# Altium PCB RV901-cnc-flipped.PcbDoc (part 2 of 4)
Units mil, origin at the board's own origin, x right, y up, seen from the top; angles counter-clockwise.
Board outline 5760 x 3629.92 mil, 4 copper layers (Top Layer, Layer 1, Layer 2, Bottom Layer), stack 72.18 mil thick; 387 components, 259 nets, 1192 pads, 558 vias.
Unrouted connection lines stored in the file: 53.
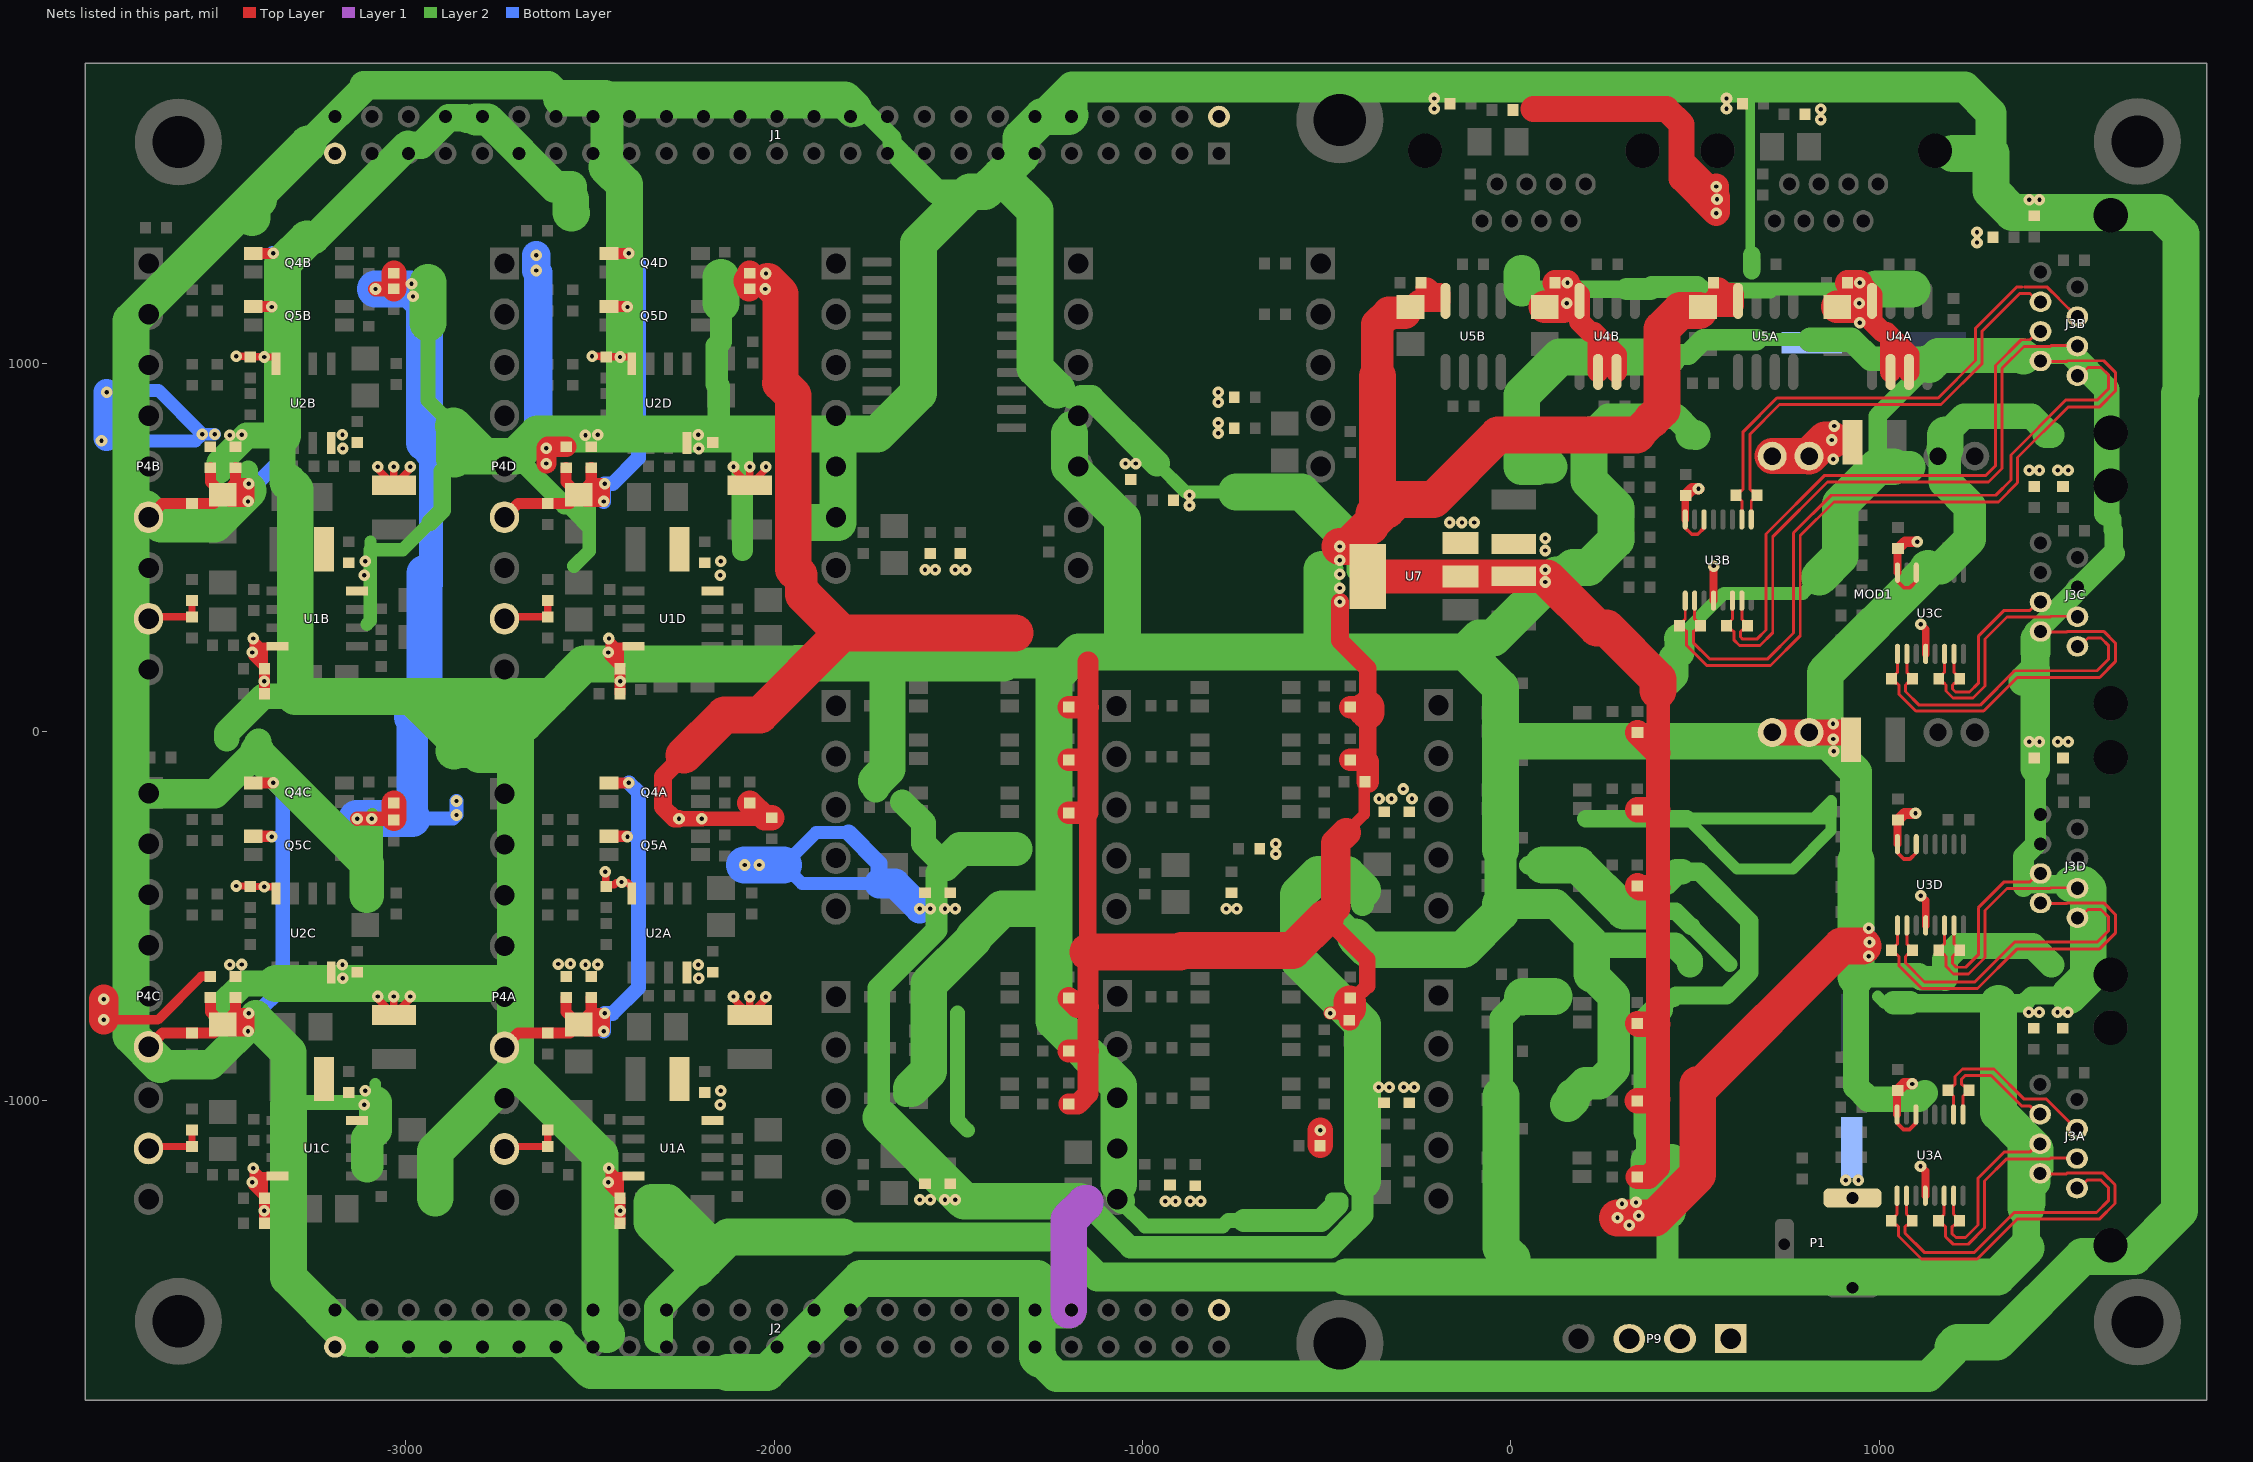
[diagram p4: the nets of this part, all layers, seen from the top]

## Footprints (in the part's own frame and the unit in brackets; to place one, negate y for a bottom-side part, rotate by r counter-clockwise, add the part's x,y. Pads: shape width x height; smd on the part's side, far side on the other; paste and mask are expansions set on the pad) (continued)
PW16_L [mm] "TSOP, 16-Leads, Body 5x4.4mm, Pitch 0.65mm, IPC High Density"
  oval 1.4x0.35 smd: 1(-2.8,2.275) 2(-2.8,1.625) 3(-2.8,0.975) 4(-2.8,0.325) 5(-2.8,-0.325) 6(-2.8,-0.975) 7(-2.8,-1.625) 8(-2.8,-2.275) 9(2.8,-2.275) 10(2.8,-1.625) 11(2.8,-0.975) 12(2.8,-0.325) 13(2.8,0.325) 14(2.8,0.975) 15(2.8,1.625) 16(2.8,2.275)
  silkscreen extent -3.7,-2.55 1.7,3.01, body extent -2.25,-2.55 2.25,2.55, height 1.2
R_0603_1608 [mm]
  rect 0.75x0.8 smd: 1(-0.725,0) 2(0.725,0)
  silkscreen extent 0,-0.38 0,0.38, body extent -0.87,-0.47 0.88,0.48, height 0.54
R_NC_0603_1608 [mm]
  rect 0.75x0.8 smd: 1(-0.725,0) 2(0.725,0)
  silkscreen extent 0,-0.38 0,0.38, body extent -0.87,-0.47 0.88,0.48, height 0.54
SOP8_SO8_SOIC8_4X5X18 [mm]
  oval 2.5x0.7 smd: 1(-2.45,1.905) 2(-2.45,0.635) 3(-2.45,-0.635) 4(-2.45,-1.905) 5(2.45,-1.905) 6(2.45,-0.635) 7(2.45,0.635) 8(2.45,1.905)
  silkscreen extent -2.57,-2.5 0.8,2.93, body extent -3,-2.45 3,2.45, height 1.7
SOT223_SC73 [mm]
  rect 1.5x2.5 smd: 1(-2.3,-3.2) 2(0,-3.2) 3(2.3,-3.2)
  rect 4.5x2.5 smd: 4(0,3.2)
  silkscreen extent -3.36,-0.25 3.34,2.9, body extent -3.36,-3.55 3.34,3.75, height 1.8

## Part data
C1A C1B C1C C1D C2A C2B C2C C2D C4A C4B C4C C4D C5A C5B C5C C5D C10A C10B C10C C10D C11A C11B C11C C11D C12A C12B C12C C12D C13A C13B C13C C13D C17A C17B C17C C17D C19A C19B C19C C19D C20A C20B C20C C20D C21A C21B C21C C21D C22A C22B C22C C22D C24A C24B C25A C25B C28A C28B C29A C29B C31A C31B C32A C32B C33A C33B C34 C36 C38: library part C_100nF_50V_X7R_0603_5, "Capacitor", Dielectric=X7R, Manufacturer=Samsung, Manufacturer Part Number=CL10B104JB8NNNC, Tolerance (%)=5, Voltage=50V, HelpURL=http://www.tme.eu/pl/Document/4a42202b32dab16128fe107dd69598cc/samsung-chip-cap.pdf, Part Number=C_100nF_50V_X7R_0603_5, SCH_Footprint=0603, Supplier 1=TME, Supplier 2="RS Components", Supplier 3=Farnell, Supplier 4=Mouser, Supplier 5=Digi-Key, Supplier 6=LCSC, Supplier Part Number 1=CL10B104JB8NNNC, Supplier Part Number 2=7665455, Supplier Part Number 5=1276-1033-1-ND, Supplier Part Number 6=C24452
C3A C3B C3C C3D C18A C18B C18C C18D C23A C23B C26A C26B C27A C27B C30A C30B C35 C37 C39: library part C_10uF_25V_X7R_1206_10, "Capacitor", Dielectric=X7R, Manufacturer=Samsung, Manufacturer Part Number=CL31B106KAHNNNE, Tolerance (%)=10, Voltage=25V, HelpURL=http://www.tme.eu/pl/Document/4a42202b32dab16128fe107dd69598cc/samsung-chip-cap.pdf, Part Number=C_10uF_25V_X7R_1206_10, SCH_Footprint=1206, Supplier 1=TME, Supplier 2="RS Components", Supplier 3=Farnell, Supplier 4=Mouser, Supplier 5=Digi-Key, Supplier 6=LCSC, Supplier Part Number 1=CL31B106KAHNNNE, Supplier Part Number 2=766-6773, Supplier Part Number 3=3013526, Supplier Part Number 4=187-CL31B106KAHNNNE, Supplier Part Number 5=1276-1804-1-ND
C6A C6B C6C C6D C7A C7B C7C C7D C8A C8B C8C C8D C9A C9B C9C C9D C14A C14B C14C C14D: library part C_15nF_16V_PPS_1206_2, "Capacitor", Dielectric=PPS, Manufacturer=Panasonic, Manufacturer Part Number=ECH-U1C153GX5, Supplier Part Number 1=ECHU1C153GX5, Tolerance (%)=2, Voltage=16V, HelpURL=https://mediap.industry.panasonic.eu/assets/imported/industrial.panasonic.com/cdbs/www-data/pdf/RDI0000/ABD0000C173.pdf, Part Number=C_15nF_16V_PPS_1206_2, SCH_Footprint=1206, Supplier 1=TME, Supplier 2="RS Components", Supplier 3=Farnell, Supplier 4=Mouser, Supplier 5=Digi-Key, Supplier 6=LCSC, Supplier Part Number 2=414-7018, Supplier Part Number 3=9694900, Supplier Part Number 4=667-ECH-U1C153GX5, Supplier Part Number 5=PCF1179CT-ND
C15A C15B C15C C15D C16A C16B C16C C16D C40 C41 C45 C46: library part C_22uF_16V_X7R_1210_10_AECQ1, "Capacitor", Dielectric=X7R, Manufacturer=Murata, Manufacturer Part Number=GCM32ER71C226KE19L, Tolerance (%)=10, Voltage=16V, AEC-Q=1, HelpURL=https://www.murata.com/products/productdetail?partno=GCM32ER71C226KE19%23, Part Number=C_22uF_16V_X7R_1210_10_AECQ1, SCH_Footprint=1210, Supplier 1=TME, Supplier 2="RS Components", Supplier 3=Farnell, Supplier 4=Mouser, Supplier 5=Digi-Key, Supplier 6=LCSC, Supplier Part Number 1=GCM32ER71C226KE19L, Supplier Part Number 3=3790409, Supplier Part Number 4=81-GCM32ER71C226K19L, Supplier Part Number 5=490-5242-1-ND, Supplier Part Number 6=C126614
C42 C43 C44: library part CE_100uF_50V_AL2O3_10x10_20, "Polarized Capacitor", Dielectric=AL2O3, Manufacturer=Nichicon, Manufacturer Part Number=UUX1H101MNL1GS, Tolerance (%)=20, Voltage=50V, HelpURL=https://datasheet.octopart.com/UUX1H101MNL1GS-Nichicon-datasheet-62047998.pdf, Part Number=CE_100uF_50V_AL2O3_10x10_20, SCH_Footprint=10x10, Supplier 1=TME, Supplier 2="RS Components", Supplier 3=Farnell, Supplier 4=Mouser, Supplier 5=Digi-Key, Supplier 6=LCSC, Supplier Part Number 1=UUX1H101MNL1GS, Supplier Part Number 2=7393107, Supplier Part Number 3=2841943, Supplier Part Number 4=647-UUX1H101MNL1GS, Supplier Part Number 5=493-6269-1-ND
J1 J2: library part J_HEADER_2x25_2.54_VERTICAL, "Pin Header", Manufacturer=Connfly, Manufacturer Part Number=DS1023-2*25S21, Supplier Part Number 1=ZL262-50DG, HelpURL=https://www.tme.eu/Document/fb46b5bf61a00a652e5b61675362b1db/DS1023.pdf, Part Number=J_HEADER_2x25_2.54_VERTICAL, SCH_Footprint="2x25 2.54mm Vertical", Supplier 1=TME, Supplier 2="RS Components", Supplier 3=Farnell, Supplier 4=Mouser, Supplier 5=Digi-Key, Supplier 6=LCSC
J3A J3B J3C J3D J4A J4B: library part J_RJ45_MJ3225-88-0, Manufacturer="Global Connector Technology", Manufacturer Part Number=MJ3225-88-0, HelpURL=https://www.farnell.com/cad/3781788.pdf, Part Number=J_RJ45_MJ3225-88-0, SCH_Footprint=J_RJ45, Supplier 1=TME, Supplier 2="RS Components", Supplier 3=Farnell, Supplier 4=Mouser, Supplier 5=Digi-Key, Supplier 6=LCSC, Supplier 7=Newark, Supplier Part Number 3=4071641, Supplier Part Number 7=61AK4308
MOD1: library part MOD_BUCK_MP1584, Manufacturer=-, HelpURL=https://pl.aliexpress.com/item/32341006065.html, Manufacturer Part Number=-, Part Number=MOD_BUCK_MP1584, SCH_Footprint=17.3x22.5mm, Supplier 1=TME, Supplier 2="RS Components", Supplier 3=Farnell, Supplier 4=Mouser, Supplier 5=Digi-Key, Supplier 6=LCSC, Supplier 7=-, Supplier Part Number 7=-
P1: library part P_KLDX-0202-A, "Typical 3-pin jack power connector with switch", Manufacturer=Kycon, Manufacturer Part Number=KLDX-0202-A, HelpURL=http://www.kycon.com/2013Catalogpage/DC%20Power/KLDX_0202.pdf, Part Number=P_KLDX-0202-A, SCH_Footprint=THT, Supplier 1=TME, Supplier 2="RS Components", Supplier 3=Farnell, Supplier 4=Mouser, Supplier 5=Digi-Key, Supplier 6=LCSC, Supplier Part Number 3=2839850, Supplier Part Number 4=806-KLDX-0202-A, Supplier Part Number 5=2092-KLDX-0202-A-ND
P3A P3B P3C P3D P5A P5B P8: library part P_15EDGVC-3.5-05P-14, "Pin Header", Manufacturer="DEGSON ELECTRONICS", Manufacturer Part Number=15EDGVC-3.5-05P-14, HelpURL=https://www.tme.eu/Document/83e7173fe653a2d0e44585e87978945b/opr014R8.pdf, Part Number=P_15EDGVC-3.5-05P-14, SCH_Footprint=5x3.5mm, Supplier 1=TME, Supplier 2="RS Components", Supplier 3=Farnell, Supplier 4=Mouser, Supplier 5=Digi-Key, Supplier 6=LCSC, Supplier 7=Conrad, Supplier Part Number 6=C7603430, Supplier Part Number 7=1327356
P4A P4B P4C P4D: library part P_15EDGVC-3.5-09P-14, "Pin Header", Manufacturer="DEGSON ELECTRONICS", Manufacturer Part Number=15EDGVC-3.5-09P-14, HelpURL=https://www.tme.eu/Document/83e7173fe653a2d0e44585e87978945b/opr014R8.pdf, Part Number=P_15EDGVC-3.5-09P-14, SCH_Footprint=9x3.5mm, Supplier 1=TME, Supplier 2="RS Components", Supplier 3=Farnell, Supplier 4=Mouser, Supplier 5=Digi-Key, Supplier 6=LCSC, Supplier 7=Micros, Supplier Part Number 6=C5188325, Supplier Part Number 7="Z TLPHC001v-09p"
P6 P7: library part P_15EDGVC-3.5-07P-14, "Pin Header", Manufacturer="DEGSON ELECTRONICS", Manufacturer Part Number=15EDGVC-3.5-07P-14, HelpURL=https://www.tme.eu/Document/83e7173fe653a2d0e44585e87978945b/opr014R8.pdf, Part Number=P_15EDGVC-3.5-07P-14, SCH_Footprint=7x3.5mm, Supplier 1=TME, Supplier 2="RS Components", Supplier 3=Farnell, Supplier 4=Mouser, Supplier 5=Digi-Key, Supplier 6=LCSC, Supplier 7=Conrad, Supplier Part Number 6=C5188323, Supplier Part Number 7=1632093
P9: library part P_15EDGVC-3.5-04P-14, "Pin Header", Manufacturer="DEGSON ELECTRONICS", Manufacturer Part Number=15EDGVC-3.5-04P-14, Supplier Part Number 1=15EDGVC-3.5-04P, HelpURL=https://www.tme.eu/Document/83e7173fe653a2d0e44585e87978945b/opr014R8.pdf, Part Number=P_15EDGVC-3.5-04P-14, SCH_Footprint=4x3.5mm, Supplier 1=TME, Supplier 2="RS Components", Supplier 3=Farnell, Supplier 4=Mouser, Supplier 5=Digi-Key, Supplier 6=LCSC
Q1A Q1B Q1C Q1D Q2A Q2B Q2C Q2D Q3A Q3B Q3C Q3D Q4A Q4B Q4C Q4D Q5A Q5B Q5C Q5D Q6A Q6B Q7A Q7B Q8A Q8B: library part CMP-00030-39642376-1, "TCMT1106 TCMT1106 Vishay Transistor Output Optocouplers Phototransistor Out 3750Vrms1 Channel 4-SOP RoHS", Ambient Temperature Range High=100°C, Case/Package=SOP, Collector Emitter Saturation Voltage=300mV, Collector Emitter Voltage (VCEO)=70V, Current Transfer Ratio=300%, Forward Current=60mA, Forward Voltage=1.35V, Input Current=50mA, Isolation Voltage=3.75kV, Max Junction Temperature (Tj)=125°C, Max Power Dissipation=250mW, Min Operating Temperature=-40°C, Reverse Breakdown Voltage=6V, Fall Time=4.7s, Height=2.3mm, Lead Free="Lead Free", Max Collector Current=50mA, Max Input Current=60mA, Max Operating Temperature=100°C, Max Output Voltage=70V, Mount="PCB, Surface Mount", NexarPartId=39642376, Number of Channels=1, Number of Elements=1, Number of Pins=4, Output Current per Channel=50mA, Output Voltage=70V, Packaging="Tape and Reel", Power Dissipation=250mW, Radiation Hardening=No, REACH SVHC=Unknown, Reverse Voltage=6V, Rise Time=3s, RoHS=Compliant, Schedule B="8541408000, 8541408000", Turn-Off Delay Time=8.5µs, Turn-On Delay Time=9.5µs, Voltage=6V, Voltage Rating (DC)=70V
R1A R1B R1C R1D R3A R3B R3C R3D R5A R5B R5C R5D R12A R12B R12C R12D R14A R14B R14C R14D R16A R16B R16C R16D R17A R17B R17C R17D R18A R18B R18C R18D R19A R19B R19C R19D R20A R20B R20C R20D R21A R21B R21C R21D R26A R26B R26C R26D R28A R28B R28C R28D R49A R49B R51A R51B R53A R53B: library part R_10k_0603_1_AECQ0, Manufacturer=Panasonic, Manufacturer Part Number=ERJ-3EKF1002V, Power=100mW, Supplier Part Number 1=ERJ3EKF1002V, Tolerance=1%, Voltage=75V, AEC-Q=0, HelpURL=https://industrial.panasonic.com/cdbs/www-data/pdf/RDA0000/AOA0000C304.pdf, Part Number=R_10k_0603_1_AECQ0, SCH_Footprint=0603, Supplier 1=TME, Supplier 2="RS Components", Supplier 3=Farnell, Supplier 4=Mouser, Supplier 5=Digi-Key, Supplier 6=LCSC, Supplier Part Number 3=2303192, Supplier Part Number 4=667-ERJ-3EKF1002V, Supplier Part Number 5=P10.0KHCT-ND, Supplier Part Number 6=C191124
R2A R2B R2C R2D R4A R4B R4C R4D R6A R6B R6C R6D R30A R30B R30C R30D R31A R31B R31C R31D R32A R32B R32C R32D R33A R33B R33C R33D R34A R34B R34C R34D R35A R35B R35C R35D: library part R_1k_0603_1_AECQ0, Manufacturer=Panasonic, Manufacturer Part Number=ERJ-3EKF1001V, Power=100mW, Supplier Part Number 1=ERJ3EKF1001V, Tolerance=1%, Voltage=75V, AEC-Q=0, HelpURL=https://industrial.panasonic.com/cdbs/www-data/pdf/RDA0000/AOA0000C304.pdf, Part Number=R_1k_0603_1_AECQ0, SCH_Footprint=0603, Supplier 1=TME, Supplier 2="RS Components", Supplier 3=Farnell, Supplier 4=Mouser, Supplier 5=Digi-Key, Supplier 6=LCSC, Supplier Part Number 3=2303145, Supplier Part Number 4=667-ERJ-3EKF1001V, Supplier Part Number 5=P1.00KHCT-ND
R7A R7B R7C R7D R8A R8B R8C R8D R9A R9B R9C R9D R10A R10B R10C R10D R11A R11B R11C R11D R13A R13B R13C R13D R15A R15B R15C R15D R23A R23B R23C R23D R24A R24B R24C R24D R25A R25B R25C R25D R39A R39B R39C R39D R40A R40B R40C R40D R42A R42B R43A R43B R44A R44B R45A R45B R47A R47B R48A R48B R55 R56 R57 R58 R59 R60 R62 R63: library part R_0R_0603_1, Manufacturer=Yageo, Manufacturer Part Number=RC0603FR-070RL, Power=100mW, Tolerance=1%, Voltage=75V, HelpURL=https://datasheet.octopart.com/RC0603FR-070RL-Yageo-datasheet-8328172.pdf, Part Number=R_0R_0603_1, SCH_Footprint=0603, Supplier 1=TME, Supplier 2="RS Components", Supplier 3=Farnell, Supplier 4=Mouser, Supplier 5=Digi-Key, Supplier 6=LCSC, Supplier Part Number 1=RC0603FR-070RL, Supplier Part Number 3=2309106, Supplier Part Number 4=603-RC0603FR-070RL, Supplier Part Number 5=311-0.0HRCT-ND, Supplier Part Number 6=C100044
R22A R22B R22C R22D: library part R_20k_0603_1_AECQ0, Manufacturer=Panasonic, Manufacturer Part Number=ERJ-3EKF2002V, Power=100mW, Supplier Part Number 1=ERJ3EKF2002V, Tolerance=1%, Voltage=75V, AEC-Q=0, HelpURL=https://industrial.panasonic.com/cdbs/www-data/pdf/RDA0000/AOA0000C304.pdf, Part Number=R_20k_0603_1_AECQ0, SCH_Footprint=0603, Supplier 1=TME, Supplier 2="RS Components", Supplier 3=Farnell, Supplier 4=Mouser, Supplier 5=Digi-Key, Supplier 6=LCSC, Supplier Part Number 3=2059432, Supplier Part Number 4=667-ERJ-3EKF2002V, Supplier Part Number 5=P20.0KHCT-ND, Supplier Part Number 6=C403057
R27A R27B R27C R27D R29A R29B R29C R29D R50A R50B R52A R52B R54A R54B: library part R_330R_0603_1, Manufacturer=Yageo, Manufacturer Part Number=RC0603FR-07330RL, Power=100mW, Supplier Part Number 1=RC0603FR-07330R, Tolerance=1%, Voltage=50V, HelpURL=http://datasheet.octopart.com/RC0603FR-07330RL-Yageo-datasheet-8328172.pdf, Part Number=R_330R_0603_1, SCH_Footprint=0603, Supplier 1=TME, Supplier 2="RS Components", Supplier 3=Farnell, Supplier 4=Mouser, Supplier 5=Digi-Key, Supplier 6=LCSC, Supplier Part Number 2=5046499, Supplier Part Number 3=9238425, Supplier Part Number 4=603-RC0603FR-07330RL, Supplier Part Number 5=311-330HRCT-ND
R36A R36B R36C R36D R37A R37B R37C R37D R38A R38B R38C R38D: library part R_1.5k_0603_1, Manufacturer=Yageo, Manufacturer Part Number=RC0603FR-071K5L, Power=100mW, Supplier Part Number 1=RC0603FR-071K5, Tolerance=1%, Voltage=50V, HelpURL=https://www.tme.eu/pl/Document/d2a72e545e5c8eb7bf2a04fa97535928/rc0603yageo.pdf, Part Number=R_1.5k_0603_1, SCH_Footprint=0603, Supplier 1=TME, Supplier 2="RS Components", Supplier 3=Farnell, Supplier 4=Mouser, Supplier 5=Digi-Key, Supplier 6=LCSC, Supplier Part Number 3=9238506, Supplier Part Number 4=603-RC0603FR-071K5L, Supplier Part Number 5=311-1.50KHRCT-ND
R41A R41B R46A R46B: library part R_GENERIC_0603, Manufacturer=-, HelpURL=-, Manufacturer Part Number=-, Part Number=R_GENERIC_0603, SCH_Footprint=0603, Supplier 1=TME, Supplier 2="RS Components", Supplier 3=Farnell, Supplier 4=Mouser, Supplier 5=Digi-Key, Supplier 6=LCSC
U1A U1B U1C U1D U2A U2B U2C U2D: library part CMP-07106-000003-1, "IC OPAMP 3MHZ RRO DUAL 8SOIC", Ambient Temperature Range High=+125°C, Ambient Temperature Range Low=-40°C, Input Bias Current=0.000005uA, Input Offset Voltage=1.3mV, Manufacturer="ON Semiconductor", Max Dual Supply Voltage=18V, Max Junction Temp=+150°C, Max Supply Voltage=36V, Min Dual Supply Voltage=1.35V, Min Supply Voltage=2.7V, Nominal Supply Current=405-465uA, Output Current per Channel=465uA, Package=751-07, Temperature="-40°C to +125°C", Voltage Gain=118-120dB, Automotive=No, Bandwidth=3MHz, Category=IC, ComponentLink2Description=Datasheet, ComponentLink2URL=http://www.onsemi.com/pub/Collateral/NCS20071-D.PDF, Device Class L1="Integrated Circuits (ICs)", Device Class L2="Linear ICs", Device Class L3="Amplifiers - Op Amps", Digikey Description="IC OPAMP 3MHZ RRO DUAL 8SOIC", Footprint Url=http://www.onsemi.com/pub/Collateral/751-07.PDF, Gain Bandwidth=3MHz, Height=1.75mm, Lead Free=Yes, Manufacturer Part Number=NCS20072DR2G, Mouser Description="Operational Amplifiers - Op Amps R2R DUAL AMPLIFIER", Number of Channels=2, Octopart=https://octopart.com/ncs20072dr2g-on+semiconductor-56676507, RoHS=TRUE, Standoff Height=0.1mm, Temperature Range High=+125°C, Temperature Range Low=-40°C
U3A U3B U3C U3D: library part CMP-0310-00535-1, "Quadruple Differential Line Receiver, 0 TX / 4 RX, 0 to 70 degC, 16-PinTSSOP (PW), Green (RoHS & no Sb/Br)", Manufacturer="Texas Instruments", Rating=Catalog, Receivers Per Package=4, # of TX/RX="0 TX / 4 RX", Code_JEDEC=MO-153, ComponentLink1Description=Datasheet, ComponentLink1URL=http://www.ti.com/general/docs/lit/getliterature.tsp?genericPartNumber=AM26LS32AC&fileType=pdf, ComponentLink2Description="Package Specification", ComponentLink2URL=http://www.ti.com/lit/ml/mpds361/mpds361.pdf, DatasheetVersion=SLLS115E, Eco-Plan="Green (RoHS & no Sb/Br)", ICC(Max)(mA)=70, Mounting Technology="Surface Mount", PackageDescription="16-Pin Plastic Thin Small Outline Package 5 x 4.4 mm Body ,0.65 mm Pitch", PackageReference=PW16, PackageVersion="revG, Feb-2011", PartNumber=AM26LS32ACPWRE4, SubFamily=RS-422
U4A U4B U5A U5B: library part U_SN65HVD1782DR, "Fault-Protected  RS-485  Transceivers  With 3.3-V to 5-V Operation", Manufacturer="Texas Instruments", Manufacturer Part Number=SN65HVD1782D, HelpURL=http://www.ti.com/lit/ds/slls877h/slls877h.pdf, Part Number=U_SN65HVD1782DR, SCH_Footprint=SO-8, Supplier 1=TME, Supplier 2="RS Components", Supplier 3=Farnell, Supplier 4=Mouser, Supplier 5=Digi-Key, Supplier 6=LCSC, Supplier Part Number 2=7093179P, Supplier Part Number 3=1755056, Supplier Part Number 4=595-SN65HVD1782D, Supplier Part Number 5=296-33574-5-ND
U6: library part CMP-04912-000113-1, "50-V, EIGHT-CHANNEL DARLINGTON A"
U7: library part VL_LD1117AS33TR_3V3_1A2, "typical configuration", Current=1.2A, Manufacturer=STMicroelectronics, Supplier Part Number 1=LD1117AS33, Voltage=3.3V, HelpURL=http://www.tme.eu/pl/Document/bad00e7fc591b73ff810af309b2bb7a4/LD1117A.pdf, Manufacturer Part Number=LD1117AS33TR, Part Number=VL_LD1117AS33TR_3V3_1A2, SCH_Footprint=SOT223, Supplier 1=TME, Supplier 2="RS Components", Supplier 3=Farnell, Supplier 4=Mouser, Supplier 5=Digi-Key, Supplier 6=LCSC, Supplier Part Number 3=1467776, Supplier Part Number 4=LD1117AS33, Supplier Part Number 5=497-1228-1-ND

## Free pads (board coordinates)
  round 236.22 hole 141.73: ""(-3617.26,-1600.79) ""(-3617.26,1600.79) ""(-464.11,-1660.63) ""(-464.11,1660.63) ""(1701.24,-1602.36) ""(1701.24,1602.36)

## Via types
v1: diameter 31.5, hole 11.81, Top Layer to Bottom Layer, tented both sides, 558 vias

## Nets (pads, with @x,y where several pads share a name; then routed paths per layer and width w, separated by ;. In a path a pad name is that pad's centre, name@x,y a point inside that pad or via, vN(x,y) a via of type N, cw(c..) or ccw(c..) an arc to the next point about the centre after c; other vN are vias at no path point)
+3.3V: C27A.1 C27B.1 C28A.1 C28B.1 C41.1 R1A.2 R1B.2 R1C.2 R1D.2 R3A.2 R3B.2 R3C.2 R3D.2 R5A.2 R5B.2 R5C.2 R5D.2 R26A.2 R26B.2 R26C.2 R26D.2 R28A.2 R28B.2 R28C.2 R28D.2 R49A.2 R49B.2 R51A.2 R51B.2 R53A.2 R53B.2 U5A.8 U5B.8 U7.2 U7.4 | length 17364.4
  Top Layer w30.36: -446.79,-273.59 -397.92,-224.72 -397.92,-145.85 R5D.2@-388.06,-136
  Top Layer w35.75: v1(-490.06,-764) -449.87,-764 -437.06,-751.19
  Top Layer w39.18: v1(-3132.06,-236) -3131.78,-235.71 v1@-3091.78,-235.71
  Top Layer w39.75: v1(-3092.06,-236) -3032.35,-236 R28C.2@-3032.06,-235.71
  Top Layer w39.93: v1(-3082.06,1202) -3033.12,1202 R28B.2@-3032.81,1202.31
  Top Layer w40: v1@-2196.06,-236.13 -2028.67,-236.13 -2026,-233.46 ; R1A.2@-436.06,-723.36 -423.04,-723.36 -390.06,-690.39
  Top Layer w41.18: v1@-2258.06,-236.13 v1@-2196.06,-236.13
  Top Layer w44.5: -503.06,-505 -390.06,-618 -390.06,-690.39
  Top Layer w47.94: -1148.06,-598 -1148.06,-219.82
  Top Layer w48.45: v1@-2258.06,-236.13 -2270.63,-236.13 -2301.9,-204.85 -2301.9,-121.84 -2244.17,-64.1
  Top Layer w48.57: v1(-464.06,352.4) -464.06,247.52 -388.06,171.52 -388.06,66.64 ; -388.06,-81.36 -388.06,51.09
  Top Layer w50: C27A.1@521.91,1153.38 526.83,1153.38 529.31,1155.86 565.21,1191.76 565.21,1203.43
  Top Layer w56.12: R3A.2@-438.06,-783.46 -437.06,-782.46 -437.06,-751.19
  Top Layer w56.57: R5C.2@-1200.09,-1010.36 -1175.36,-1010.36 -1148.06,-983.07 -1148.06,-866.86 -1148.06,-746.79 -1148.06,-598 ; -1148.06,-219.82 -1148.06,66.64 -1148.06,190
  Top Layer w60: C27B.1@-272.09,1153.38 -269.61,1155.86 -263.93,1155.86 -250.15,1169.64 -193.31,1169.64 -193.31,1188.85 -212.53,1188.85 -227.11,1203.43 -228.79,1203.43 ; C27A.1@521.91,1153.38 524.39,1155.86 529.31,1155.86 600.69,1155.86 603.13,1158.3 603.13,1186.41 600.69,1188.85 579.8,1188.85 565.21,1203.43
  Top Layer w61.15: R5D.2@-388.06,-136 -388.06,-81.36
  Top Layer w61.26: R1B.2@-1200.09,66.64 -1148.06,66.64
  Top Layer w61.39: R3C.2@-1200.09,-866.36 -1199.59,-866.86 -1148.06,-866.86 ; R1C.2@-1200.09,-723.36 -1176.66,-746.79 -1148.06,-746.79 ; R1D.2@-436.09,66.64 -392.64,66.64
  Top Layer w61.4: R5B.2@-1200.08,-220.36 -1156.62,-220.36 -1156.08,-219.82 ; R3B.2@-1200.08,-76.36 -1156.62,-76.36 -1156.08,-75.82 ; R3D.2@-436.08,-76.36 -404.68,-76.36 -399.13,-81.91
  Top Layer w64: 399.94,-57.83 399.94,111.79
  Top Layer w64.44: 399.94,-424 399.94,-212 399.94,-57.83
  Top Layer w64.5: 399.94,-794 399.94,-424
  Top Layer w64.94: R53B.2@343.72,-1208.54 374.38,-1208.54 399.94,-1182.98 399.94,-998 399.94,-794
  Top Layer w67.56: R28D.2@-2067.81,1202 R28D.2@-2066.84,1202.97
  Top Layer w68.17: R28C.2@-3032.06,-235.71 R26C.2@-3032.06,-193.36 ; R28B.2@-3032.06,1202.54 R26B.2@-3032.06,1244.64 ; R26D.2@-2066.84,1244.4 -2066.61,1244.64 R26D.2@-2066.09,1244.64 ; R26A.2@-2066.09,-193.36 -2026,-233.46
  Top Layer w68.65: -2066.84,1223.68 R26D.2@-2066.84,1244.4 ; -2026,-233.46 R28A.2@-2006.06,-233.46 ; R51B.2@343.72,-1002.09 395.85,-1002.09 399.94,-998 ; R49B.2@343.94,-792.09 345.85,-794 399.94,-794 ; R53A.2@343.97,-418.54 349.43,-424 399.94,-424 ; R51A.2@343.97,-212.09 399.85,-212.09 399.94,-212 ; R49A.2@344.19,-2.09 399.94,-57.83
  Top Layer w69.12: R5A.2@-517.28,-1123.25 -516.98,-1122.94 v1(-516.98,-1082)
  Top Layer w69.49: R28D.2@-2066.84,1202.97 -2066.84,1223.68
  Top Layer w79.25: -503.06,-505 -474.92,-476.86 -474.92,-301.73 -446.79,-273.59
  Top Layer w87.72: -1932.06,425.03 -1926.49,419.46 -1926.49,389.09 -1920.91,383.51 -1920.91,374.83
  Top Layer w87.75: -2066.84,1223.68 -2017.21,1223.68
  Top Layer w87.83: -362.06,964.85 -362.06,1106.32 -331,1137.38 C27B.1@-288.09,1137.38
  Top Layer w88.7: -399.15,61.09 -389.15,51.09 -388.06,51.09
  Top Layer w89.31: -437.06,-751.19 R1A.2@-437.06,-733.69
  Top Layer w90.46: -388.06,51.09 -388.06,66.64
  Top Layer w92: C41.1@7.94,422 93.94,422 v1@97.94,418
  Top Layer w92.55: U7.4@-388.03,421.45 -136.34,421.45 -136.06,421.72 C41.1@-2.06,421.72
  Top Layer w94.53: 345.37,809.43 383.21,847.28
  Top Layer w98.1: -2017.21,1223.68 -1982.11,1188.59 -1982.11,946.96
  Top Layer w100: -2244.17,-64.1 -2134.48,45.59 -2038.48,45.59 -1816.06,268 ; -1982.11,946.96 -1948.09,912.94 -1948.09,441.06 -1932.06,425.03 ; -1920.91,374.83 -1920.91,372.85 -1816.06,268 ; -1346.06,268 -1816.06,268 ; -1148.06,-598 -897.59,-598 -893.69,-594.1 -592.17,-594.1 -503.06,-505 ; v1(-464.06,502.8) -441.26,502.8 -380.06,564 ; -380.06,558 -380.06,564 ; -362.06,964.85 -362.06,634 ; v1@97.94,418 233.94,282 259.94,282 399.94,142 399.94,111.79 ; 345.37,809.43 341.82,805.88 -34.21,805.88 -210.09,630 -308.06,630 ; 383.21,847.28 410.65,874.72 410.65,1093.64 460.48,1143.46 C27A.1@511.99,1143.46 ; -380.06,564 -372.06,572 ; -372.06,572 -372.06,592 -362.06,602 -362.06,634 ; -372.06,572 -342.06,602 -336.06,602 -308.06,630 ; -362.06,634 -358.06,630 -308.06,630
  Layer 2 w30: 478,-236 614.65,-372.65 765.87,-372.65 870,-268.51 870,-226
  Layer 2 w31.5: 822,-236 870,-188 870,-226 860,-236 822,-236
  Layer 2 w32.3: 478,-236 822,-236
  Layer 2 w34.43: 712.75,1202 992.29,1202
  Layer 2 w35.18: 712.75,1202 713.12,1202.38 992.29,1202.38
  Layer 2 w35.94: 32,1202 378.84,1202 510.88,1202 712.75,1202 704.75,1194 518.88,1194
  Layer 2 w40: -1502,-764 -1502,-1055.09 -1475.09,-1082
  Layer 2 w46.87: 204,-236 266,-236
  Layer 2 w47.5: 30,1204 32,1202 32.32,1201.68 314.83,1201.68
  Layer 2 w48.2: 266,-236 478,-236
  Layer 2 w60: 314.83,1201.68 378.52,1201.68 378.84,1202 383.77,1206.93 505.95,1206.93 510.88,1202 518.88,1194
  Layer 2 w100: 30,1204 30,1244 ; 992.29,1202 1090,1202 1089.62,1202.38 992.29,1202.38
  Bottom Layer w38: -2982.27,-236 -2872.06,-236 v1(-2862.06,-226) v1(-2862.06,-188)
  Bottom Layer w49.25: -2949.06,748.59 -2949.06,784.48
  Bottom Layer w65: -2949.06,784.48 -2931.81,767.23 -2931.81,400
  Bottom Layer w84.91: -2982.27,-236 -2982.27,39.34
  Bottom Layer w98.5: -2982.27,39.34 -2949.06,72.55 -2949.06,430
  Bottom Layer w100: v1(-3132.06,-236) v1(-3092.06,-236) -2982.27,-236 ; v1(-3082.06,1202) -2988.06,1202 -2949.06,1163 -2949.06,784.48
  other v1: -2258.06,-236 -2196.06,-236 -464.06,390 93.94,406.4 -464.06,427.6 93.94,440 -464.06,465.2 -2980.35,1181.71 -2024.06,1202 -2984.35,1215.71 -2022.06,1244
+5V: C22A.1 C22B.1 C22C.1 C22D.1 C23A.1 C23B.1 C24A.1 C24B.1 C40.1 C44.1 C46.1 J1.2 J1.49 J2.2 J2.49 MOD1.5 MOD1.6 P9.1 R11A.2 R11B.2 R11C.2 R11D.2 R25A.2 R25B.2 R25C.2 R25D.2 R39A.1 R39B.1 R39C.1 R39D.1 R44A.2 R44B.2 R48A.2 R48B.2 R56.2 R58.2 R63.2 U3A.4 U3A.14 U3A.16 U3B.4 U3B.14 U3B.16 U3C.4 U3C.14 U3C.16 U3D.4 U3D.14 U3D.16 U4A.2 U4A.3 U4A.8 U4B.2 U4B.3 U4B.8 U7.3 | length 38928.3
  Top Layer w10: U3B.16@473.79,576.37 473.79,553.16 491.14,535.81 507.62,535.81 524.97,553.16 U3B.14@524.97,576.37 ; U3A.16@1048.82,-1039.27 1048.82,-1062.47 1066.17,-1079.83 1082.65,-1079.83 1100,-1062.47 U3A.14@1100,-1039.27 ; U3D.16@1049.82,-305.27 1049.82,-328.47 1067.17,-345.83 1083.65,-345.83 1101,-328.47 U3D.14@1101,-305.27 ; U3C.16@1049.82,431.73 1049.82,408.53 1067.17,391.17 1083.65,391.17 1101,408.53 U3C.14@1101,431.73
  Top Layer w21.4: U3B.16@473.79,576.37 473.79,640.02 C22B.1@475.35,641.59 ; U3B.4@550.56,355.9 550.56,449.34 v1(550.91,449.69) ; U3A.16@1048.82,-1039.27 1048.82,-975.61 C22A.1@1050.39,-974.05 ; U3D.16@1049.82,-305.27 1049.82,-241.61 C22D.1@1051.39,-240.05 ; U3C.16@1049.82,431.73 1049.82,495.39 C22C.1@1051.39,496.95 ; v1(1112.39,-1179.5) 1125.59,-1192.71 U3A.4@1125.59,-1259.74 ; v1(1113.39,-445.5) 1126.59,-458.71 U3D.4@1126.59,-525.74 ; v1(1113.39,291.5) 1126.59,278.29 U3C.4@1126.59,211.26
  Top Layer w24.89: v1(509.82,659.2) v1@513.14,659.2
  Top Layer w26.06: v1(-3820.06,-782) -3819.82,-782.24 -3673.04,-782.24 -3555.08,-664.28 R25C.2@-3530.28,-664.28
  Top Layer w28.58: C22C.1@1051.39,496.95 1070.43,516 v1(1103.94,516)
  Top Layer w30.26: C22D.1@1051.39,-240.05 1069.59,-221.84 v1(1098.92,-221.84)
  Top Layer w31.08: C22A.1@1050.39,-974.05 1068.18,-956.25 v1(1090.17,-956.25)
  Top Layer w31.5: C22B.1@475.35,641.59 492.97,659.2 v1(509.82,659.2)
  Top Layer w54.69: v1(-2618.06,728) v1(-2618.06,770) -2614.34,773.72 R25D.2@-2564.31,773.72
  Top Layer w56.44: v1(151.91,1163.18) 180.45,1163.18 U4B.8@186.91,1169.64 186.91,1186.18 v1(153.91,1219.18) ; U4B.8@186.91,1164.4 186.91,1113.49 216.19,1084.2 225.88,1084.2 236.91,1073.18 ; U4B.2@236.91,976.72 236.91,1073.18 ; U4B.3@286.91,976.72 286.91,1023.18 236.91,1073.18 ; v1(945.91,1163.18) 952.36,1169.64 U4A.8@980.91,1169.64 980.91,1186.18 v1(947.91,1219.18) ; U4A.8@980.91,1164.4 980.91,1113.49 1010.19,1084.2 1019.88,1084.2 1030.91,1073.18 ; U4A.2@1030.91,976.72 1030.91,1073.18 ; U4A.3@1080.91,976.72 1080.91,1023.18 1030.91,1073.18
  Top Layer w68.65: C24B.1@120.45,1219.18 v1(153.91,1219.18) ; C24A.1@914.45,1219.18 v1(947.91,1219.18)
  Top Layer w80: v1(-3820.06,-782) v1(-3820.06,-726)
  Top Layer w87.83: C23B.1@91.91,1153.38 142.1,1153.38 v1(151.91,1163.18) ; C23A.1@885.91,1153.38 936.1,1153.38 v1(945.91,1163.18)
  Top Layer w97.62: MOD1.5@709.94,748 MOD1.6@809.94,748
  Top Layer w100: MOD1.6@809.94,748 853.94,792 v1(871.94,792)
  Layer 1 w88.5: -1155.75,-1280.57 -1150,-1274.82
  Layer 1 w100: -1200,-1570.08 -1200,-1324.82 -1155.75,-1280.57
  Layer 2 w24.94: 652.1,1750.1 650,1748 650,1298 654,1294
  Layer 2 w30: -3195.55,-266.75 -3093.74,-266.75 -3090.99,-264 ; -2501.89,547.89 -2549,595 ; -2501.89,594.23 -2502.66,595 -2549,595 ; -2501.89,640.57 -2528.45,614 -2568,614 -2549,595
  Layer 2 w30.53: -3090.99,-264 -3090.99,-221.84
  Layer 2 w31.24: -2501.89,640.57 -2501.89,659.2
  Layer 2 w31.5: -3082.23,-1006.51 -3082.23,-956.25
  Layer 2 w32.36: -1231.82,927.82 -1198,894
  Layer 2 w32.5: -3096,494 -3096,516
  Layer 2 w35.18: -960.19,728 -883.39,651.2 -745.26,651.2
  Layer 2 w36.03: -3105.45,291.5 -3096,300.94 -3096,494 -3008,494 -2933.96,568.04
  Layer 2 w37.07: -2542.97,449.69 -2501.89,490.77 -2501.89,547.89 -2501.89,594.23 -2501.89,640.57
  Layer 2 w40.5: -2939.97,1110 -2939.97,899.97 -2870,830
  Layer 2 w41.52: -3318,-1012 -3312.51,-1006.51 -3082.23,-1006.51
  Layer 2 w41.94: 490.84,-527.63 594.03,-630.82
  Layer 2 w47.53: -2933.96,568.04 -2900.98,601.02 -2900.98,707.02 -2868,740
  Layer 2 w47.76: 369.64,-487 447.64,-487 488.27,-527.63 490.84,-527.63
  Layer 2 w48.06: 654,1252 654,1294
  Layer 2 w49.73: -2702,748 -2568,614
  Layer 2 w50: 48,-362 88,-362
  Layer 2 w51.94: -1783.97,1719.18 -1783.97,1715.47 -1679.51,1611.02 -1679.51,1597.11 -1654.96,1572.56 -1654.96,1561.78
  Layer 2 w52.5: -3427.45,655.2 -3427.45,709.5
  Layer 2 w56.5: -2086,492 -2086,525.6
  Layer 2 w58.1: -2086,525.6 -2086,808
  Layer 2 w58.67: -3105.45,-445.5 -3090.99,-431.04 -3090.99,-264
  Layer 2 w60: -2176,808 -2150.25,833.75 -2150.25,937.87 -2155.72,943.33 -2155.72,1047.45 -2143.97,1059.2 -2143.97,1163.18 ; -1710.52,-1047.75 -1715.75,-1042.52 -1715.75,-965.18 -1715.75,-695.51 -1558.5,-538.26 -1558.5,-382.5 -1537,-361 ; -1150,-1274.82 -1150,-1282.83 -1033.08,-1399.75 -490.01,-1399.75 -402.22,-1311.95 -402.22,-1270.82 -402.22,-1219.6 ; -415.75,437.5 -415.75,498.52
  Layer 2 w62.24: -402.22,-469.78 -402.22,-430.27
  Layer 2 w67.19: -1654.96,1561.78 -1559.18,1466 -1468,1466
  Layer 2 w67.46: -1652,-190 -1594.5,-247.5 -1594.5,-303.5 -1537,-361
  Layer 2 w70.13: -1165.94,906 -1138.19,906 -960.19,728
  Layer 2 w71.09: -3403.2,-53.14 -3403.2,-31.25 -3399.45,-27.5
  Layer 2 w77: -3265.48,1595.21 -3105.42,1755.28 ; -3113.6,1755.28 -3105.42,1755.28 ; -2577.15,1720 -2612.43,1755.28 -3105.42,1755.28
  Layer 2 w79.31: -1170.44,-1274.82 -1150,-1274.82
  Layer 2 w80: -3746,-168 -3518.06,-168 -3403.2,-53.14 ; -3667.17,-904 -3528.79,-904 -3407,-782.21
  Layer 2 w85: -1271.42,1670.08 -1191.39,1750.11 ; -1239.04,-1531.04 -1278.08,-1570.08 -1280.03,-1572.03 -1280.03,-1703.23 -1233.15,-1750.11 1133.15,-1750.11 1200,-1683.25 1200,-1670.08 ; -1200,1670.08 -1191.39,1678.69 -1191.39,1750.11 ; 1304,1570.08 1304,1679.25 1233.15,1750.1 652.1,1750.1 -1191.39,1750.11
  Layer 2 w86: -3407,-782.21 -3407,-772
  Layer 2 w89.05: -3104.45,-1179.5 -3104.45,-1104.11 -3082.23,-1081.9 -3082.23,-1006.51
  Layer 2 w89.26: -2589.39,-1648 -2497.39,-1740 -2126.36,-1740
  Layer 2 w89.92: -2454,1533.49 -2454,1715.19
  Layer 2 w92: -1537,-361 -1494,-318 -1344,-318
  Layer 2 w93.68: -3403.2,-53.14 -3403.2,-59.1 -3195.55,-266.75 -3105.45,-356.85 -3105.45,-445.5
  Layer 2 w97.44: -3407,-782.21 -3318,-871.21 -3318,-1012
  Layer 2 w99.67: -2702,748 -2642,808 -2406,808
  Layer 2 w100: -3667.17,-904 -3746,-825.17 -3746,-168 -3746,606.86 ; -3427.45,655.2 -3519.55,563.09 -3664.27,563.09 -3708.04,606.86 -3746,606.86 ; -3417.37,1395.55 -3417.37,1426.18 -3399.42,1444.13 ; -3318,-1012 -3318,-1482 -3152,-1648 -2589.39,-1648 ; -3265.48,1595.21 -3746,1114.69 -3746,606.86 ; -2939.97,1110 -2939.97,1219.18 ; -2870,830 -2868,828 ; -2788,748 -2702,748 ; -2577.15,1720 -2458.8,1720 -2454,1715.19 -1807.98,1715.19 -1783.97,1691.18 ; -2454,1533.49 -2406,1485.49 -2406,808 -2176,808 -2086,808 -1822,808 ; -2143.97,1163.18 -2143.97,1233.97 ; -2126.36,-1740 -2019.21,-1740 -1763.73,-1484.52 -1285.56,-1484.52 ; -1893.2,568 -1859.6,568 -1826,568 -1826,804 -1822,808 ; -1710.52,-1047.75 -1483.45,-1274.82 -1170.44,-1274.82 ; -1280.03,-1703.23 -1285.56,-1697.7 -1285.56,-1484.52 ; -1278.08,-1570.08 -1200,-1570.08 -1239.04,-1531.04 -1285.56,-1484.52 ; -1231.82,927.82 -1291.5,987.5 -1291.5,1415.5 -1385,1509 ; -1196.22,1673.86 -1200,1670.08 -1271.42,1670.08 -1330,1611.5 -1330,1564 -1385,1509 ; -745.26,651.2 -568.42,651.2 -415.75,498.52 ; -402.22,-1219.6 -402.22,-794.27 -576.97,-619.52 -576.97,-442.3 -522.49,-387.82 -444.67,-387.82 -402.22,-430.27 ; 88,-362 182.92,-362 307.92,-487 369.64,-487 ; 1200,-1670.08 1212.47,-1657.6 1319.32,-1657.6 1552.25,-1424.68 1692.05,-1424.68 1816,-1300.73 1816,790 1816,917.92 1820.08,922 1820.08,1351.42 1761.5,1410 1362.58,1410 1304,1468.58 1304,1570.08 1200,1570.08 ; -2868,828 -2802,762 -2802,748 -2860,748 -2868,740 -2868,828 ; -1822,808 -1720,808 -1608,920 -1608,1326 -1468,1466 -1428,1466 -1385,1509